# Altium PCB PA_8CH_CTRL.PcbDoc (part 1 of 3)
Units mil, origin at the board's own origin, x right, y up, seen from the top; angles counter-clockwise.
Board outline 10314.96 x 3582.68 mil, 2 copper layers (Top Layer, Bottom Layer); 762 components, 511 nets, 2388 pads, 40 vias.
Unrouted connection lines stored in the file: 1763.
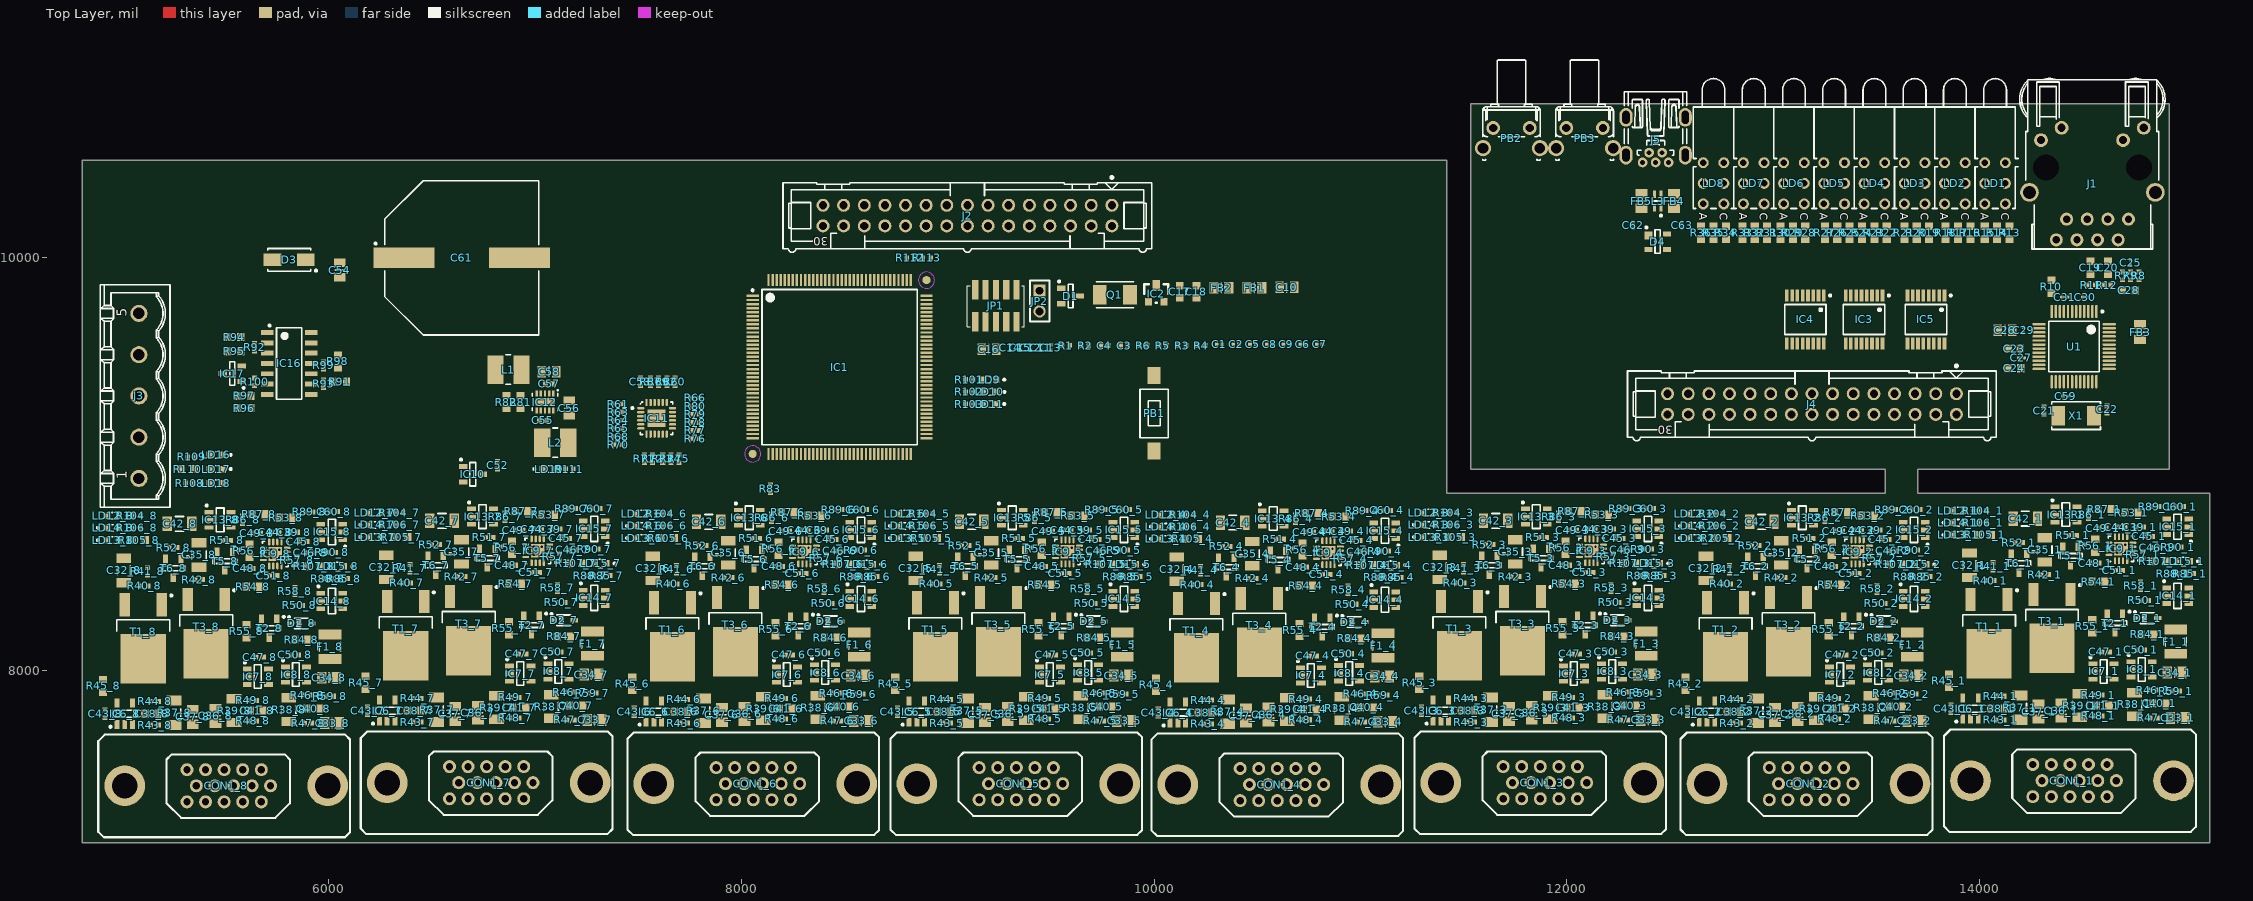
[diagram p0: Top Layer view]
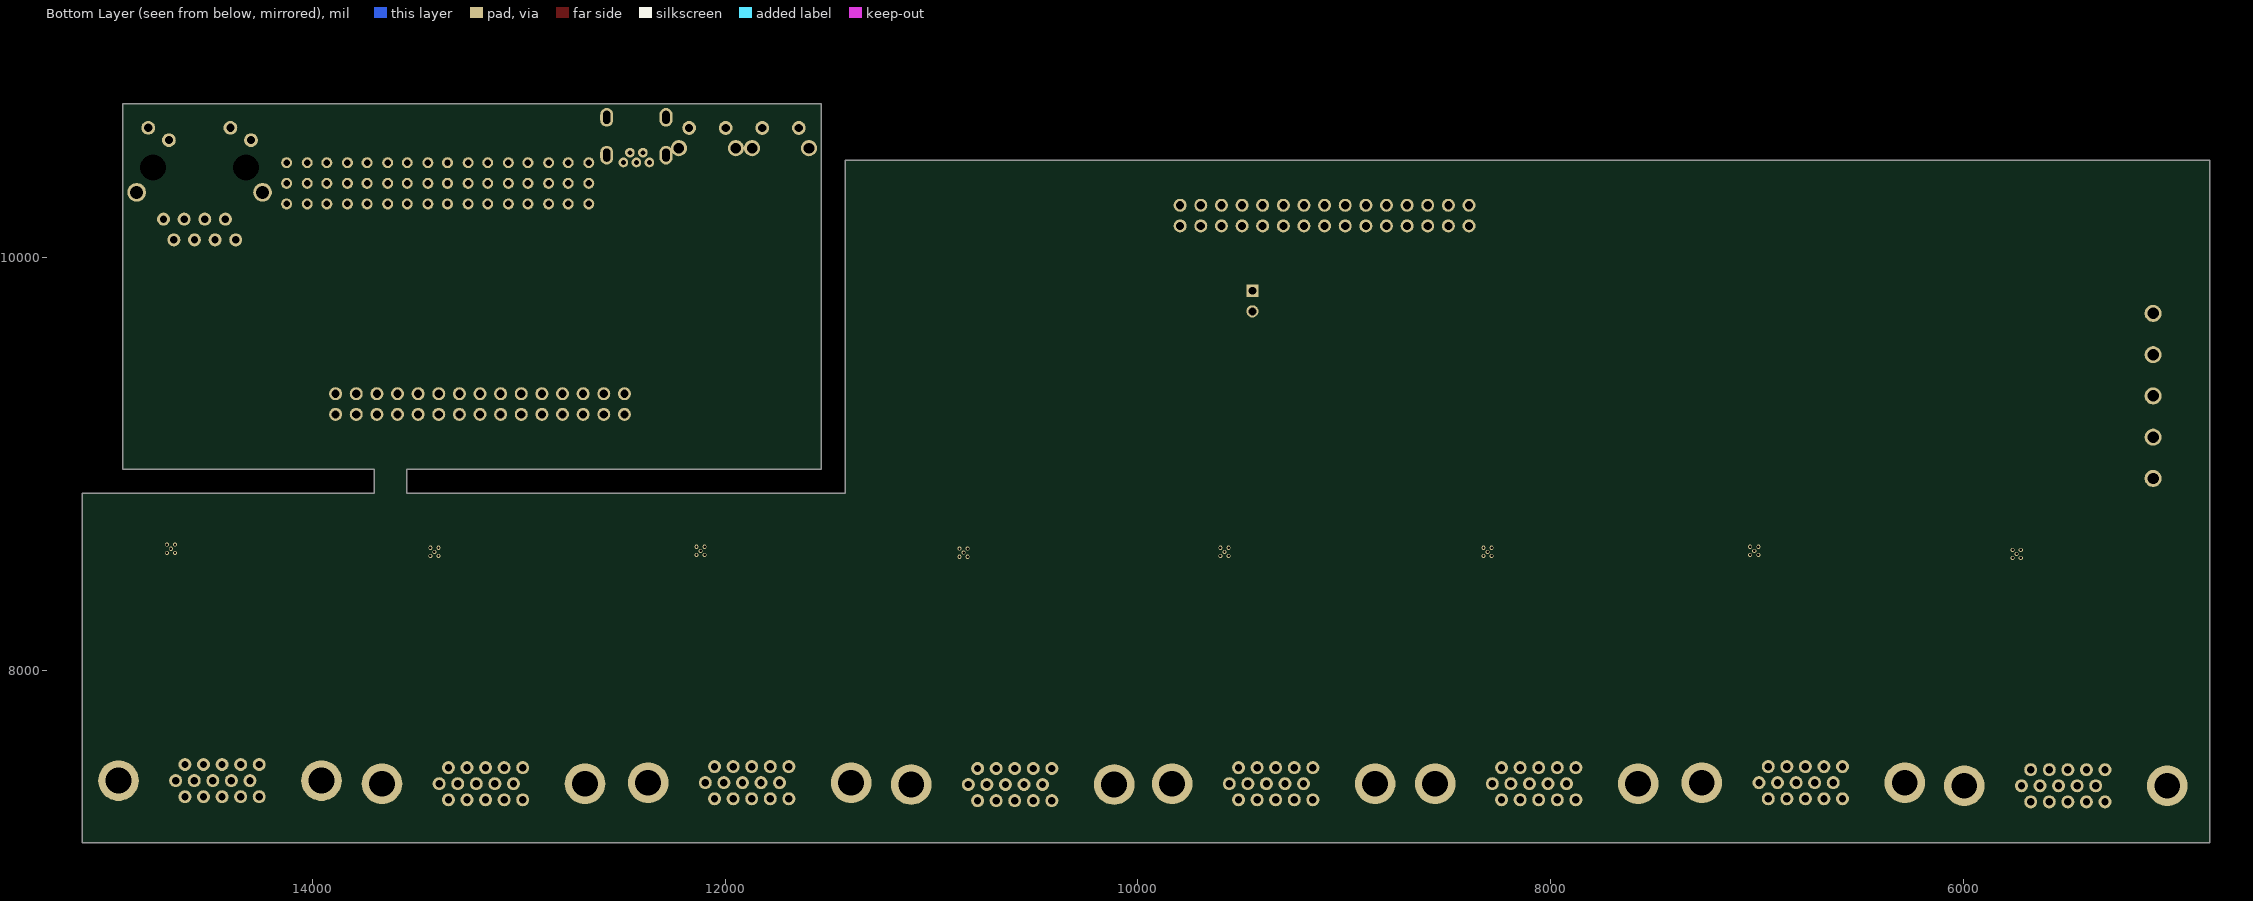
[diagram p1: Bottom Layer view, seen from below]

## Layer stack, top to bottom
Top Solder: solder mask 0.4, Solder Resist, Dk 3.5
Top Layer: signal copper 1.4
Dielectric 1: dielectric 12.6, FR-4, Dk 4.8
Bottom Layer: signal copper 1.4
Bottom Solder: solder mask 0.4, Solder Resist, Dk 3.5

## Board outline
4803.15,7165.35 4803.15,10472.44 11417.32,10472.44 11417.32,8858.27 13543.31,8858.27 13543.31,8976.38 11535.43,8976.38 11535.43,10748.03 14921.26,10748.03 14921.26,8976.38 13700.79,8976.38 13700.79,8858.27 15118.11,8858.27 15118.11,7165.35

## Design rules (kind name [scope] priority, off if disabled: settings)
Clearance [All] p1: gap=10
DiffPairsRouting [All] p1: maxlimit=10 minlimit=10 mostfreqgap=10 toplayer_minwidth=15 toplayer_maxwidth=15 toplayer_prefwidth=15 bottomlayer_minwidth=15 bottomlayer_maxwidth=15 bottomlayer_prefwidth=15 maxuncoupledlength=500
PolygonConnect [All] p1: connectstyle=Relief reliefconductorwidth=10 reliefentries=4 polygonreliefangle="90 Angle" airgapwidth=10
RoomDefinition U_CPU [InComponentClass('U_CPU')] p1: confinementstyle=ConfineIn formatcopy=TRUE lockcomponents=FALSE outline 7874.02,8858.27 10314.96,8858.27 10314.96,10433.07 7874.02,10433.07
RoomDefinition U_Power_Supply [InComponentClass('U_Power_Supply')] p2: confinementstyle=ConfineIn formatcopy=TRUE lockcomponents=FALSE outline 5120,8890.43 6289.37,8890.43 6289.37,10090.43 5120,10090.43
RoomDefinition U_PA_Channel8 [InComponentClass('U_PA_Channel8')] p3: confinementstyle=ConfineIn formatcopy=TRUE lockcomponents=FALSE outline 6120,7165 6120,8800 4880,8800 4880,7165
RoomDefinition U_PA_Channel7 [InComponentClass('U_PA_Channel7')] p4: confinementstyle=ConfineIn formatcopy=TRUE lockcomponents=FALSE outline 7392.28,7180 7392.28,8815 6152.28,8815 6152.28,7180
RoomDefinition U_PA_Channel6 [InComponentClass('U_PA_Channel6')] p5: confinementstyle=ConfineIn formatcopy=TRUE lockcomponents=FALSE outline 8685,7175 8685,8810 7445,8810 7445,7175
RoomDefinition U_PA_Channel5 [InComponentClass('U_PA_Channel5')] p6: confinementstyle=ConfineIn formatcopy=TRUE lockcomponents=FALSE outline 9960,7175 9960,8810 8720,8810 8720,7175
RoomDefinition U_PA_Channel4 [InComponentClass('U_PA_Channel4')] p7: confinementstyle=ConfineIn formatcopy=TRUE lockcomponents=FALSE outline 11225,7170.94 11225,8805.94 9985,8805.94 9985,7170.94
RoomDefinition U_PA_Channel3 [InComponentClass('U_PA_Channel3')] p8: confinementstyle=ConfineIn formatcopy=TRUE lockcomponents=FALSE outline 12500,7180 12500,8815 11260,8815 11260,7180
RoomDefinition U_PA_Channel2 [InComponentClass('U_PA_Channel2')] p9: confinementstyle=ConfineIn formatcopy=TRUE lockcomponents=FALSE outline 13790,7175 13790,8810 12550,8810 12550,7175
RoomDefinition U_PA_Channel1 [InComponentClass('U_PA_Channel1')] p10: confinementstyle=ConfineIn formatcopy=TRUE lockcomponents=FALSE outline 15067.28,7190 15067.28,8825 13827.28,8825 13827.28,7190
RoomDefinition U_LEDs [InComponentClass('U_LEDs')] p11: confinementstyle=ConfineIn formatcopy=TRUE lockcomponents=FALSE outline 14943.19,10897.48 12158.19,10897.48 12158.19,8962.48 14943.19,8962.48
RoomDefinition U_ETH_IFC [InComponentClass('U_ETH_IFC')] p12: confinementstyle=ConfineIn formatcopy=TRUE lockcomponents=FALSE outline 15010.6,10777.48 14208.19,10777.48 14208.19,8942.48 15010.6,8942.48
RoomDefinition PA_CTRL_TOP [InComponentClass('PA_CTRL_TOP')] p13: confinementstyle=ConfineIn formatcopy=TRUE lockcomponents=FALSE outline 11062.56,8857.32 12464.29,8857.32 12464.29,9327.32 11062.56,9327.32
RoutingVias [All] p1: holewidth=28 width=50 viastyle="Through Hole" minholewidth=28 minwidth=50 maxholewidth=28 maxwidth=50
SolderMaskExpansion [All] p1: expansion=4
Width [All] p1: maxlimit=10 minlimit=10 preferedwidth=10
29 further rules are at their usual default settings.

## Classes and differential pairs
net class EN_PWR_CH[7..0]: EN_PWR_CH0 EN_PWR_CH1 EN_PWR_CH2 EN_PWR_CH3 EN_PWR_CH4 EN_PWR_CH5 EN_PWR_CH6 EN_PWR_CH7
component class PA_CTRL_TOP: C52 C53 C62 C63 D4 FB4 FB5 IC10 IC11 J2 J4 J5 L3 PB2 PB3 R60 R61 R62 R63 R64 R65 R66 R67 R68 R69 R70 R71 R72 R73 R74 R75 R76 R77 R78 R79 R80
component class U_CPU: C1 C2 C3 C4 C5 C6 C7 C8 C9 C10 C11 C12 C13 C14 C15 C16 C17 C18 D1 FB1 FB2 IC1 IC2 JP1 JP2 LD9 LD10 LD11 PB1 Q1 R1 R2 R3 R4 R5 R6 R83 R101 R102 R103 R112 R113
component class U_ETH_IFC: C19 C20 C21 C22 C23 C24 C25 C26 C27 C28 C29 C30 C31 C59 FB3 J1 R7 R8 R9 R10 R11 R12 U1 X1
component class U_LEDs: IC3 IC4 IC5 LD1 LD2 LD3 LD4 LD5 LD6 LD7 LD8 R13 R14 R15 R16 R17 R18 R19 R20 R21 R22 R23 R24 R25 R26 R27 R28 R29 R30 R31 R32 R33 R34 R35 R36
component class U_PA_Channel1: C32_1 C33_1 C34_1 C35_1 C36_1 C37_1 C38_1 C39_1 C40_1 C41_1 C42_1 C43_1 C44_1 C45_1 C46_1 C47_1 C48_1 C49_1 C50_1 C51_1 C60_1 CON1_1 D2_1 F1_1 IC6_1 IC7_1 IC8_1 IC9_1 IC13_1 IC14_1 IC15_1 LD12_1 LD13_1 LD14_1 LD15_1 R37_1 R38_1 R39_1 R40_1 R41_1 R42_1 R43_1 R44_1 R45_1 R46_1 R47_1 R48_1 R49_1 R50_1 R51_1 R52_1 R53_1 R54_1 R55_1 R56_1 R57_1 R58_1 R59_1 R84_1 R85_1 R86_1 R87_1 R88_1 R89_1 R90_1 R104_1 R105_1 R106_1 R107_1 T1_1 T2_1 T3_1 T5_1 T6_1
component class U_PA_Channel2: C32_2 C33_2 C34_2 C35_2 C36_2 C37_2 C38_2 C39_2 C40_2 C41_2 C42_2 C43_2 C44_2 C45_2 C46_2 C47_2 C48_2 C49_2 C50_2 C51_2 C60_2 CON1_2 D2_2 F1_2 IC6_2 IC7_2 IC8_2 IC9_2 IC13_2 IC14_2 IC15_2 LD12_2 LD13_2 LD14_2 LD15_2 R37_2 R38_2 R39_2 R40_2 R41_2 R42_2 R43_2 R44_2 R45_2 R46_2 R47_2 R48_2 R49_2 R50_2 R51_2 R52_2 R53_2 R54_2 R55_2 R56_2 R57_2 R58_2 R59_2 R84_2 R85_2 R86_2 R87_2 R88_2 R89_2 R90_2 R104_2 R105_2 R106_2 R107_2 T1_2 T2_2 T3_2 T5_2 T6_2
component class U_PA_Channel3: C32_3 C33_3 C34_3 C35_3 C36_3 C37_3 C38_3 C39_3 C40_3 C41_3 C42_3 C43_3 C44_3 C45_3 C46_3 C47_3 C48_3 C49_3 C50_3 C51_3 C60_3 CON1_3 D2_3 F1_3 IC6_3 IC7_3 IC8_3 IC9_3 IC13_3 IC14_3 IC15_3 LD12_3 LD13_3 LD14_3 LD15_3 R37_3 R38_3 R39_3 R40_3 R41_3 R42_3 R43_3 R44_3 R45_3 R46_3 R47_3 R48_3 R49_3 R50_3 R51_3 R52_3 R53_3 R54_3 R55_3 R56_3 R57_3 R58_3 R59_3 R84_3 R85_3 R86_3 R87_3 R88_3 R89_3 R90_3 R104_3 R105_3 R106_3 R107_3 T1_3 T2_3 T3_3 T5_3 T6_3
component class U_PA_Channel4: C32_4 C33_4 C34_4 C35_4 C36_4 C37_4 C38_4 C39_4 C40_4 C41_4 C42_4 C43_4 C44_4 C45_4 C46_4 C47_4 C48_4 C49_4 C50_4 C51_4 C60_4 CON1_4 D2_4 F1_4 IC6_4 IC7_4 IC8_4 IC9_4 IC13_4 IC14_4 IC15_4 LD12_4 LD13_4 LD14_4 LD15_4 R37_4 R38_4 R39_4 R40_4 R41_4 R42_4 R43_4 R44_4 R45_4 R46_4 R47_4 R48_4 R49_4 R50_4 R51_4 R52_4 R53_4 R54_4 R55_4 R56_4 R57_4 R58_4 R59_4 R84_4 R85_4 R86_4 R87_4 R88_4 R89_4 R90_4 R104_4 R105_4 R106_4 R107_4 T1_4 T2_4 T3_4 T5_4 T6_4
component class U_PA_Channel5: C32_5 C33_5 C34_5 C35_5 C36_5 C37_5 C38_5 C39_5 C40_5 C41_5 C42_5 C43_5 C44_5 C45_5 C46_5 C47_5 C48_5 C49_5 C50_5 C51_5 C60_5 CON1_5 D2_5 F1_5 IC6_5 IC7_5 IC8_5 IC9_5 IC13_5 IC14_5 IC15_5 LD12_5 LD13_5 LD14_5 LD15_5 R37_5 R38_5 R39_5 R40_5 R41_5 R42_5 R43_5 R44_5 R45_5 R46_5 R47_5 R48_5 R49_5 R50_5 R51_5 R52_5 R53_5 R54_5 R55_5 R56_5 R57_5 R58_5 R59_5 R84_5 R85_5 R86_5 R87_5 R88_5 R89_5 R90_5 R104_5 R105_5 R106_5 R107_5 T1_5 T2_5 T3_5 T5_5 T6_5
component class U_PA_Channel6: C32_6 C33_6 C34_6 C35_6 C36_6 C37_6 C38_6 C39_6 C40_6 C41_6 C42_6 C43_6 C44_6 C45_6 C46_6 C47_6 C48_6 C49_6 C50_6 C51_6 C60_6 CON1_6 D2_6 F1_6 IC6_6 IC7_6 IC8_6 IC9_6 IC13_6 IC14_6 IC15_6 LD12_6 LD13_6 LD14_6 LD15_6 R37_6 R38_6 R39_6 R40_6 R41_6 R42_6 R43_6 R44_6 R45_6 R46_6 R47_6 R48_6 R49_6 R50_6 R51_6 R52_6 R53_6 R54_6 R55_6 R56_6 R57_6 R58_6 R59_6 R84_6 R85_6 R86_6 R87_6 R88_6 R89_6 R90_6 R104_6 R105_6 R106_6 R107_6 T1_6 T2_6 T3_6 T5_6 T6_6
component class U_PA_Channel7: C32_7 C33_7 C34_7 C35_7 C36_7 C37_7 C38_7 C39_7 C40_7 C41_7 C42_7 C43_7 C44_7 C45_7 C46_7 C47_7 C48_7 C49_7 C50_7 C51_7 C60_7 CON1_7 D2_7 F1_7 IC6_7 IC7_7 IC8_7 IC9_7 IC13_7 IC14_7 IC15_7 LD12_7 LD13_7 LD14_7 LD15_7 R37_7 R38_7 R39_7 R40_7 R41_7 R42_7 R43_7 R44_7 R45_7 R46_7 R47_7 R48_7 R49_7 R50_7 R51_7 R52_7 R53_7 R54_7 R55_7 R56_7 R57_7 R58_7 R59_7 R84_7 R85_7 R86_7 R87_7 R88_7 R89_7 R90_7 R104_7 R105_7 R106_7 R107_7 T1_7 T2_7 T3_7 T5_7 T6_7
component class U_PA_Channel8: C32_8 C33_8 C34_8 C35_8 C36_8 C37_8 C38_8 C39_8 C40_8 C41_8 C42_8 C43_8 C44_8 C45_8 C46_8 C47_8 C48_8 C49_8 C50_8 C51_8 C60_8 CON1_8 D2_8 F1_8 IC6_8 IC7_8 IC8_8 IC9_8 IC13_8 IC14_8 IC15_8 LD12_8 LD13_8 LD14_8 LD15_8 R37_8 R38_8 R39_8 R40_8 R41_8 R42_8 R43_8 R44_8 R45_8 R46_8 R47_8 R48_8 R49_8 R50_8 R51_8 R52_8 R53_8 R54_8 R55_8 R56_8 R57_8 R58_8 R59_8 R84_8 R85_8 R86_8 R87_8 R88_8 R89_8 R90_8 R104_8 R105_8 R106_8 R107_8 T1_8 T2_8 T3_8 T5_8 T6_8
net class ADC_IN[15..0]: ADC_IN0 ADC_IN1 ADC_IN2 ADC_IN3 ADC_IN4 ADC_IN5 ADC_IN6 ADC_IN7 ADC_IN8 ADC_IN9 ADC_IN10 ADC_IN11 ADC_IN12 ADC_IN13 ADC_IN14 ADC_IN15
net class ALERTN_CH[7..0]: ALERTN_CH0 ALERTN_CH1 ALERTN_CH2 ALERTN_CH3 ALERTN_CH4 ALERTN_CH5 ALERTN_CH6 ALERTN_CH7
net class PWR_CH_OVL[7..0]: PWR_CH_OVL0 PWR_CH_OVL1 PWR_CH_OVL2 PWR_CH_OVL3 PWR_CH_OVL4 PWR_CH_OVL5 PWR_CH_OVL6 PWR_CH_OVL7
net class SIG_ON_CH[7..0]: SIG_ON_CH0 SIG_ON_CH1 SIG_ON_CH2 SIG_ON_CH3 SIG_ON_CH4 SIG_ON_CH5 SIG_ON_CH6 SIG_ON_CH7
channel class PA_Channel: U_PA_Channel1 U_PA_Channel2 U_PA_Channel3 U_PA_Channel4 U_PA_Channel5 U_PA_Channel6 U_PA_Channel7 U_PA_Channel8
component class U_Power_Supply: C54 C55 C56 C57 C58 C61 D3 IC12 IC16 IC17 J3 L1 L2 LD16 LD17 LD18 LD19 R81 R82 R91 R92 R93 R94 R95 R96 R97 R98 R99 R100 R108 R109 R110 R111
differential pair RJ45_RX: +RJ45_RX_P -RJ45_RX_N

## Components (designator, comment, footprint, x,y, rotation, side; value= is the part's Value field where it differs from the comment)
C1 "100nF" CAPC0603X33N 10316.54,9580.91 r0 top
C2 "100nF" CAPC0603X33N 10397.56,9580.91 r0 top
C3 "12pF" CAPC1005X55N 9854.13,9575 r0 top
C4 "12pF" CAPC1005X55N 9759.33,9575 r0 top
C5 "100nF" CAPC0603X33N 10478.58,9580.91 r0 top
C6 "100nF" CAPC0603X33N 10721.65,9580.91 r0 top
C7 "100nF" CAPC0603X33N 10802.68,9580.91 r0 top
C8 "100nF" CAPC0603X33N 10559.61,9580.91 r0 top
C9 "100nF" CAPC0603X33N 10640.63,9580.91 r0 top
C10 "10uF" CAPC2012X135N 10643.31,9857.28 r0 top
C11 "100nF" CAPC0603X33N 9450.39,9565.16 r90 top
C12 "100nF" CAPC0603X33N 9400.87,9565.16 r90 top
C13 "100nF" CAPC0603X33N 9499.92,9565.16 r90 top
C14 "100nF" CAPC0603X33N 9301.81,9565.16 r90 top
C15 "100nF" CAPC0603X33N 9351.34,9565.16 r90 top
C16 "10uF" CAPC2012X135N 9199.13,9557.28 r0 top
C17 "2.2uF" CAPC1608X90N 10124.33,9835.63 r90 top
C18 "2.2uF" CAPC1608X90N 10205.36,9835.63 r90 top
C19 "10nF" CAPC1608X87N 14538.19,9952.48 r90 top
C20 "10nF" CAPC1608X87N 14623.19,9952.48 r90 top
C21 "22pF" CAPC1005X55N 14314.45,9259.96 r270 top
C22 "22pF" CAPC1005X55N 14619.45,9264.96 r270 top
C23 "4.7uF" CAPC1709X95N 14169.45,9559.96 r180 top
C24 "10nF" CAPC1608X87N 14169.45,9464.96 r0 top
C25 "100nF" CAPC0603X33N 14733.19,9977.48 r90 top
C26 "10uF" CAPC2012X135N 14124.45,9649.96 r180 top
C27 "100nF" CAPC0603X33N 14204.45,9514.96 r180 top
C28 "10nF" CAPC1608X87N 14724.41,9842.52 r180 top
C29 "100nF" CAPC0603X33N 14214.45,9649.96 r90 top
C30 "100nF" CAPC0603X33N 14514.45,9809.96 r0 top
C31 "100nF" CAPC0603X33N 14414.45,9809.96 r180 top
C32_1 "4.7uF" CAPC3216X180N 13952.28,8510 r270 top (schematic designator C32)
C32_2 "4.7uF" CAPC3216X180N 12675,8495 r270 top (schematic designator C32)
C32_3 "4.7uF" CAPC3216X180N 11385,8500 r270 top (schematic designator C32)
C32_4 "4.7uF" CAPC3216X180N 10110,8490.94 r270 top (schematic designator C32)
C32_5 "4.7uF" CAPC3216X180N 8845,8495 r270 top (schematic designator C32)
C32_6 "4.7uF" CAPC3216X180N 7570,8495 r270 top (schematic designator C32)
C32_7 "4.7uF" CAPC3216X180N 6277.28,8500 r270 top (schematic designator C32)
C32_8 "4.7uF" CAPC3216X180N 5005,8485 r270 top (schematic designator C32)
C33_1 "1uF" CAPC2012X110N 14962.28,7770 r180 top (schematic designator C33)
C33_2 "1uF" CAPC2012X110N 13685,7755 r180 top (schematic designator C33)
C33_3 "1uF" CAPC2012X110N 12395,7760 r180 top (schematic designator C33)
C33_4 "1uF" CAPC2012X110N 11120,7750.94 r180 top (schematic designator C33)
C33_5 "1uF" CAPC2012X110N 9855,7755 r180 top (schematic designator C33)
C33_6 "1uF" CAPC2012X110N 8580,7755 r180 top (schematic designator C33)
C33_7 "1uF" CAPC2012X110N 7287.28,7760 r180 top (schematic designator C33)
C33_8 "1uF" CAPC2012X110N 6015,7745 r180 top (schematic designator C33)
C34_1 "1uF" CAPC2012X110N 14947.28,7990 r0 top (schematic designator C34)
C34_2 "1uF" CAPC2012X110N 13670,7975 r0 top (schematic designator C34)
C34_3 "1uF" CAPC2012X110N 12380,7980 r0 top (schematic designator C34)
C34_4 "1uF" CAPC2012X110N 11105,7970.94 r0 top (schematic designator C34)
C34_5 "1uF" CAPC2012X110N 9840,7975 r0 top (schematic designator C34)
C34_6 "1uF" CAPC2012X110N 8565,7975 r0 top (schematic designator C34)
C34_7 "1uF" CAPC2012X110N 7272.28,7980 r0 top (schematic designator C34)
C34_8 "1uF" CAPC2012X110N 6000,7965 r0 top (schematic designator C34)
C35_1 "10uF" CAPC3216X140N 14317.28,8585 r270 top (schematic designator C35)
C35_2 "10uF" CAPC3216X140N 13040,8570 r270 top (schematic designator C35)
C35_3 "10uF" CAPC3216X140N 11750,8575 r270 top (schematic designator C35)
C35_4 "10uF" CAPC3216X140N 10475,8565.94 r270 top (schematic designator C35)
C35_5 "10uF" CAPC3216X140N 9210,8570 r270 top (schematic designator C35)
C35_6 "10uF" CAPC3216X140N 7935,8570 r270 top (schematic designator C35)
C35_7 "10uF" CAPC3216X140N 6642.28,8575 r270 top (schematic designator C35)
C35_8 "10uF" CAPC3216X140N 5370,8560 r270 top (schematic designator C35)
C36_1 "1uF" CAPC2012X110N 14397.28,7805 r270 top (schematic designator C36)
C36_2 "1uF" CAPC2012X110N 13120,7790 r270 top (schematic designator C36)
C36_3 "1uF" CAPC2012X110N 11830,7795 r270 top (schematic designator C36)
C36_4 "1uF" CAPC2012X110N 10555,7785.94 r270 top (schematic designator C36)
C36_5 "1uF" CAPC2012X110N 9290,7790 r270 top (schematic designator C36)
C36_6 "1uF" CAPC2012X110N 8015,7790 r270 top (schematic designator C36)
C36_7 "1uF" CAPC2012X110N 6722.28,7795 r270 top (schematic designator C36)
C36_8 "1uF" CAPC2012X110N 5450,7780 r270 top (schematic designator C36)
C37_1 "1uF" CAPC2012X110N 14287.28,7800 r270 top (schematic designator C37)
C37_2 "1uF" CAPC2012X110N 13010,7785 r270 top (schematic designator C37)
C37_3 "1uF" CAPC2012X110N 11720,7790 r270 top (schematic designator C37)
C37_4 "1uF" CAPC2012X110N 10445,7780.94 r270 top (schematic designator C37)
C37_5 "1uF" CAPC2012X110N 9180,7785 r270 top (schematic designator C37)
C37_6 "1uF" CAPC2012X110N 7905,7785 r270 top (schematic designator C37)
C37_7 "1uF" CAPC2012X110N 6612.28,7790 r270 top (schematic designator C37)
C37_8 "1uF" CAPC2012X110N 5340,7775 r270 top (schematic designator C37)
C38_1 "10nF" CAPC1608X87N 14087.28,7815 r180 top (schematic designator C38)
C38_2 "10nF" CAPC1608X87N 12810,7800 r180 top (schematic designator C38)
C38_3 "10nF" CAPC1608X87N 11520,7805 r180 top (schematic designator C38)
C38_4 "10nF" CAPC1608X87N 10245,7795.94 r180 top (schematic designator C38)
C38_5 "10nF" CAPC1608X87N 8980,7800 r180 top (schematic designator C38)
C38_6 "10nF" CAPC1608X87N 7705,7800 r180 top (schematic designator C38)
C38_7 "10nF" CAPC1608X87N 6412.28,7805 r180 top (schematic designator C38)
C38_8 "10nF" CAPC1608X87N 5140,7790 r180 top (schematic designator C38)
C39_1 "100nF" CAPC1005X55N 14777.28,8695 r180 top (schematic designator C39)
C39_2 "100nF" CAPC1005X55N 13500,8680 r180 top (schematic designator C39)
C39_3 "100nF" CAPC1005X55N 12210,8685 r180 top (schematic designator C39)
C39_4 "100nF" CAPC1005X55N 10935,8675.94 r180 top (schematic designator C39)
C39_5 "100nF" CAPC1005X55N 9670,8680 r180 top (schematic designator C39)
C39_6 "100nF" CAPC1005X55N 8395,8680 r180 top (schematic designator C39)
C39_7 "100nF" CAPC1005X55N 7102.28,8685 r180 top (schematic designator C39)
C39_8 "100nF" CAPC1005X55N 5830,8670 r180 top (schematic designator C39)
C40_1 "10nF" CAPC1608X87N 14872.28,7840 r180 top (schematic designator C40)
C40_2 "10nF" CAPC1608X87N 13595,7825 r180 top (schematic designator C40)
C40_3 "10nF" CAPC1608X87N 12305,7830 r180 top (schematic designator C40)
C40_4 "10nF" CAPC1608X87N 11030,7820.94 r180 top (schematic designator C40)
C40_5 "10nF" CAPC1608X87N 9765,7825 r180 top (schematic designator C40)
C40_6 "10nF" CAPC1608X87N 8490,7825 r180 top (schematic designator C40)
C40_7 "10nF" CAPC1608X87N 7197.28,7830 r180 top (schematic designator C40)
C40_8 "10nF" CAPC1608X87N 5925,7815 r180 top (schematic designator C40)
C41_1 "10nF" CAPC1608X87N 14597.28,7830 r180 top (schematic designator C41)
C41_2 "10nF" CAPC1608X87N 13320,7815 r180 top (schematic designator C41)
C41_3 "10nF" CAPC1608X87N 12030,7820 r180 top (schematic designator C41)
C41_4 "10nF" CAPC1608X87N 10755,7810.94 r180 top (schematic designator C41)
C41_5 "10nF" CAPC1608X87N 9490,7815 r180 top (schematic designator C41)
C41_6 "10nF" CAPC1608X87N 8215,7815 r180 top (schematic designator C41)
C41_7 "10nF" CAPC1608X87N 6922.28,7820 r180 top (schematic designator C41)
C41_8 "10nF" CAPC1608X87N 5650,7805 r180 top (schematic designator C41)
C42_1 "10uF" CAPC3216X140N 14222.87,8735.63 r0 top (schematic designator C42)
C42_2 "10uF" CAPC3216X140N 12945.59,8720.63 r0 top (schematic designator C42)
C42_3 "10uF" CAPC3216X140N 11655.59,8725.63 r0 top (schematic designator C42)
C42_4 "10uF" CAPC3216X140N 10380.59,8716.57 r0 top (schematic designator C42)
C42_5 "10uF" CAPC3216X140N 9115.59,8720.63 r0 top (schematic designator C42)
C42_6 "10uF" CAPC3216X140N 7840.59,8720.63 r0 top (schematic designator C42)
C42_7 "10uF" CAPC3216X140N 6547.87,8725.63 r0 top (schematic designator C42)
C42_8 "10uF" CAPC3216X140N 5275.59,8710.63 r0 top (schematic designator C42)
C43_1 "100nF" CAPC1005X55N 13862.28,7815 r90 top (schematic designator C43)
C43_2 "100nF" CAPC1005X55N 12585,7800 r90 top (schematic designator C43)
C43_3 "100nF" CAPC1005X55N 11295,7805 r90 top (schematic designator C43)
C43_4 "100nF" CAPC1005X55N 10020,7795.94 r90 top (schematic designator C43)
C43_5 "100nF" CAPC1005X55N 8755,7800 r90 top (schematic designator C43)
C43_6 "100nF" CAPC1005X55N 7480,7800 r90 top (schematic designator C43)
C43_7 "100nF" CAPC1005X55N 6187.28,7805 r90 top (schematic designator C43)
C43_8 "100nF" CAPC1005X55N 4915,7790 r90 top (schematic designator C43)
C44_1 "100nF" CAPC1005X55N 14687.28,8695 r180 top (schematic designator C44)
C44_2 "100nF" CAPC1005X55N 13410,8680 r180 top (schematic designator C44)
C44_3 "100nF" CAPC1005X55N 12120,8685 r180 top (schematic designator C44)
C44_4 "100nF" CAPC1005X55N 10845,8675.94 r180 top (schematic designator C44)
C44_5 "100nF" CAPC1005X55N 9580,8680 r180 top (schematic designator C44)
C44_6 "100nF" CAPC1005X55N 8305,8680 r180 top (schematic designator C44)
C44_7 "100nF" CAPC1005X55N 7012.28,8685 r180 top (schematic designator C44)
C44_8 "100nF" CAPC1005X55N 5740,8670 r180 top (schematic designator C44)
C45_1 "100nF" CAPC1005X55N 14822.28,8650 r180 top (schematic designator C45)
C45_2 "100nF" CAPC1005X55N 13545,8635 r180 top (schematic designator C45)
C45_3 "100nF" CAPC1005X55N 12255,8640 r180 top (schematic designator C45)
C45_4 "100nF" CAPC1005X55N 10980,8630.94 r180 top (schematic designator C45)
C45_5 "100nF" CAPC1005X55N 9715,8635 r180 top (schematic designator C45)
C45_6 "100nF" CAPC1005X55N 8440,8635 r180 top (schematic designator C45)
C45_7 "100nF" CAPC1005X55N 7147.28,8640 r180 top (schematic designator C45)
C45_8 "100nF" CAPC1005X55N 5875,8625 r180 top (schematic designator C45)
C46_1 "100nF" CAPC1005X55N 14857.28,8595 r180 top (schematic designator C46)
C46_2 "100nF" CAPC1005X55N 13580,8580 r180 top (schematic designator C46)
C46_3 "100nF" CAPC1005X55N 12290,8585 r180 top (schematic designator C46)
C46_4 "100nF" CAPC1005X55N 11015,8575.94 r180 top (schematic designator C46)
C46_5 "100nF" CAPC1005X55N 9750,8580 r180 top (schematic designator C46)
C46_6 "100nF" CAPC1005X55N 8475,8580 r180 top (schematic designator C46)
C46_7 "100nF" CAPC1005X55N 7182.28,8585 r180 top (schematic designator C46)
C46_8 "100nF" CAPC1005X55N 5910,8570 r180 top (schematic designator C46)
C47_1 "100nF" CAPC1005X55N 14612.28,8090 r0 top (schematic designator C47)